# KiCad board AICORS_PCB.kicad_pcb (continued)
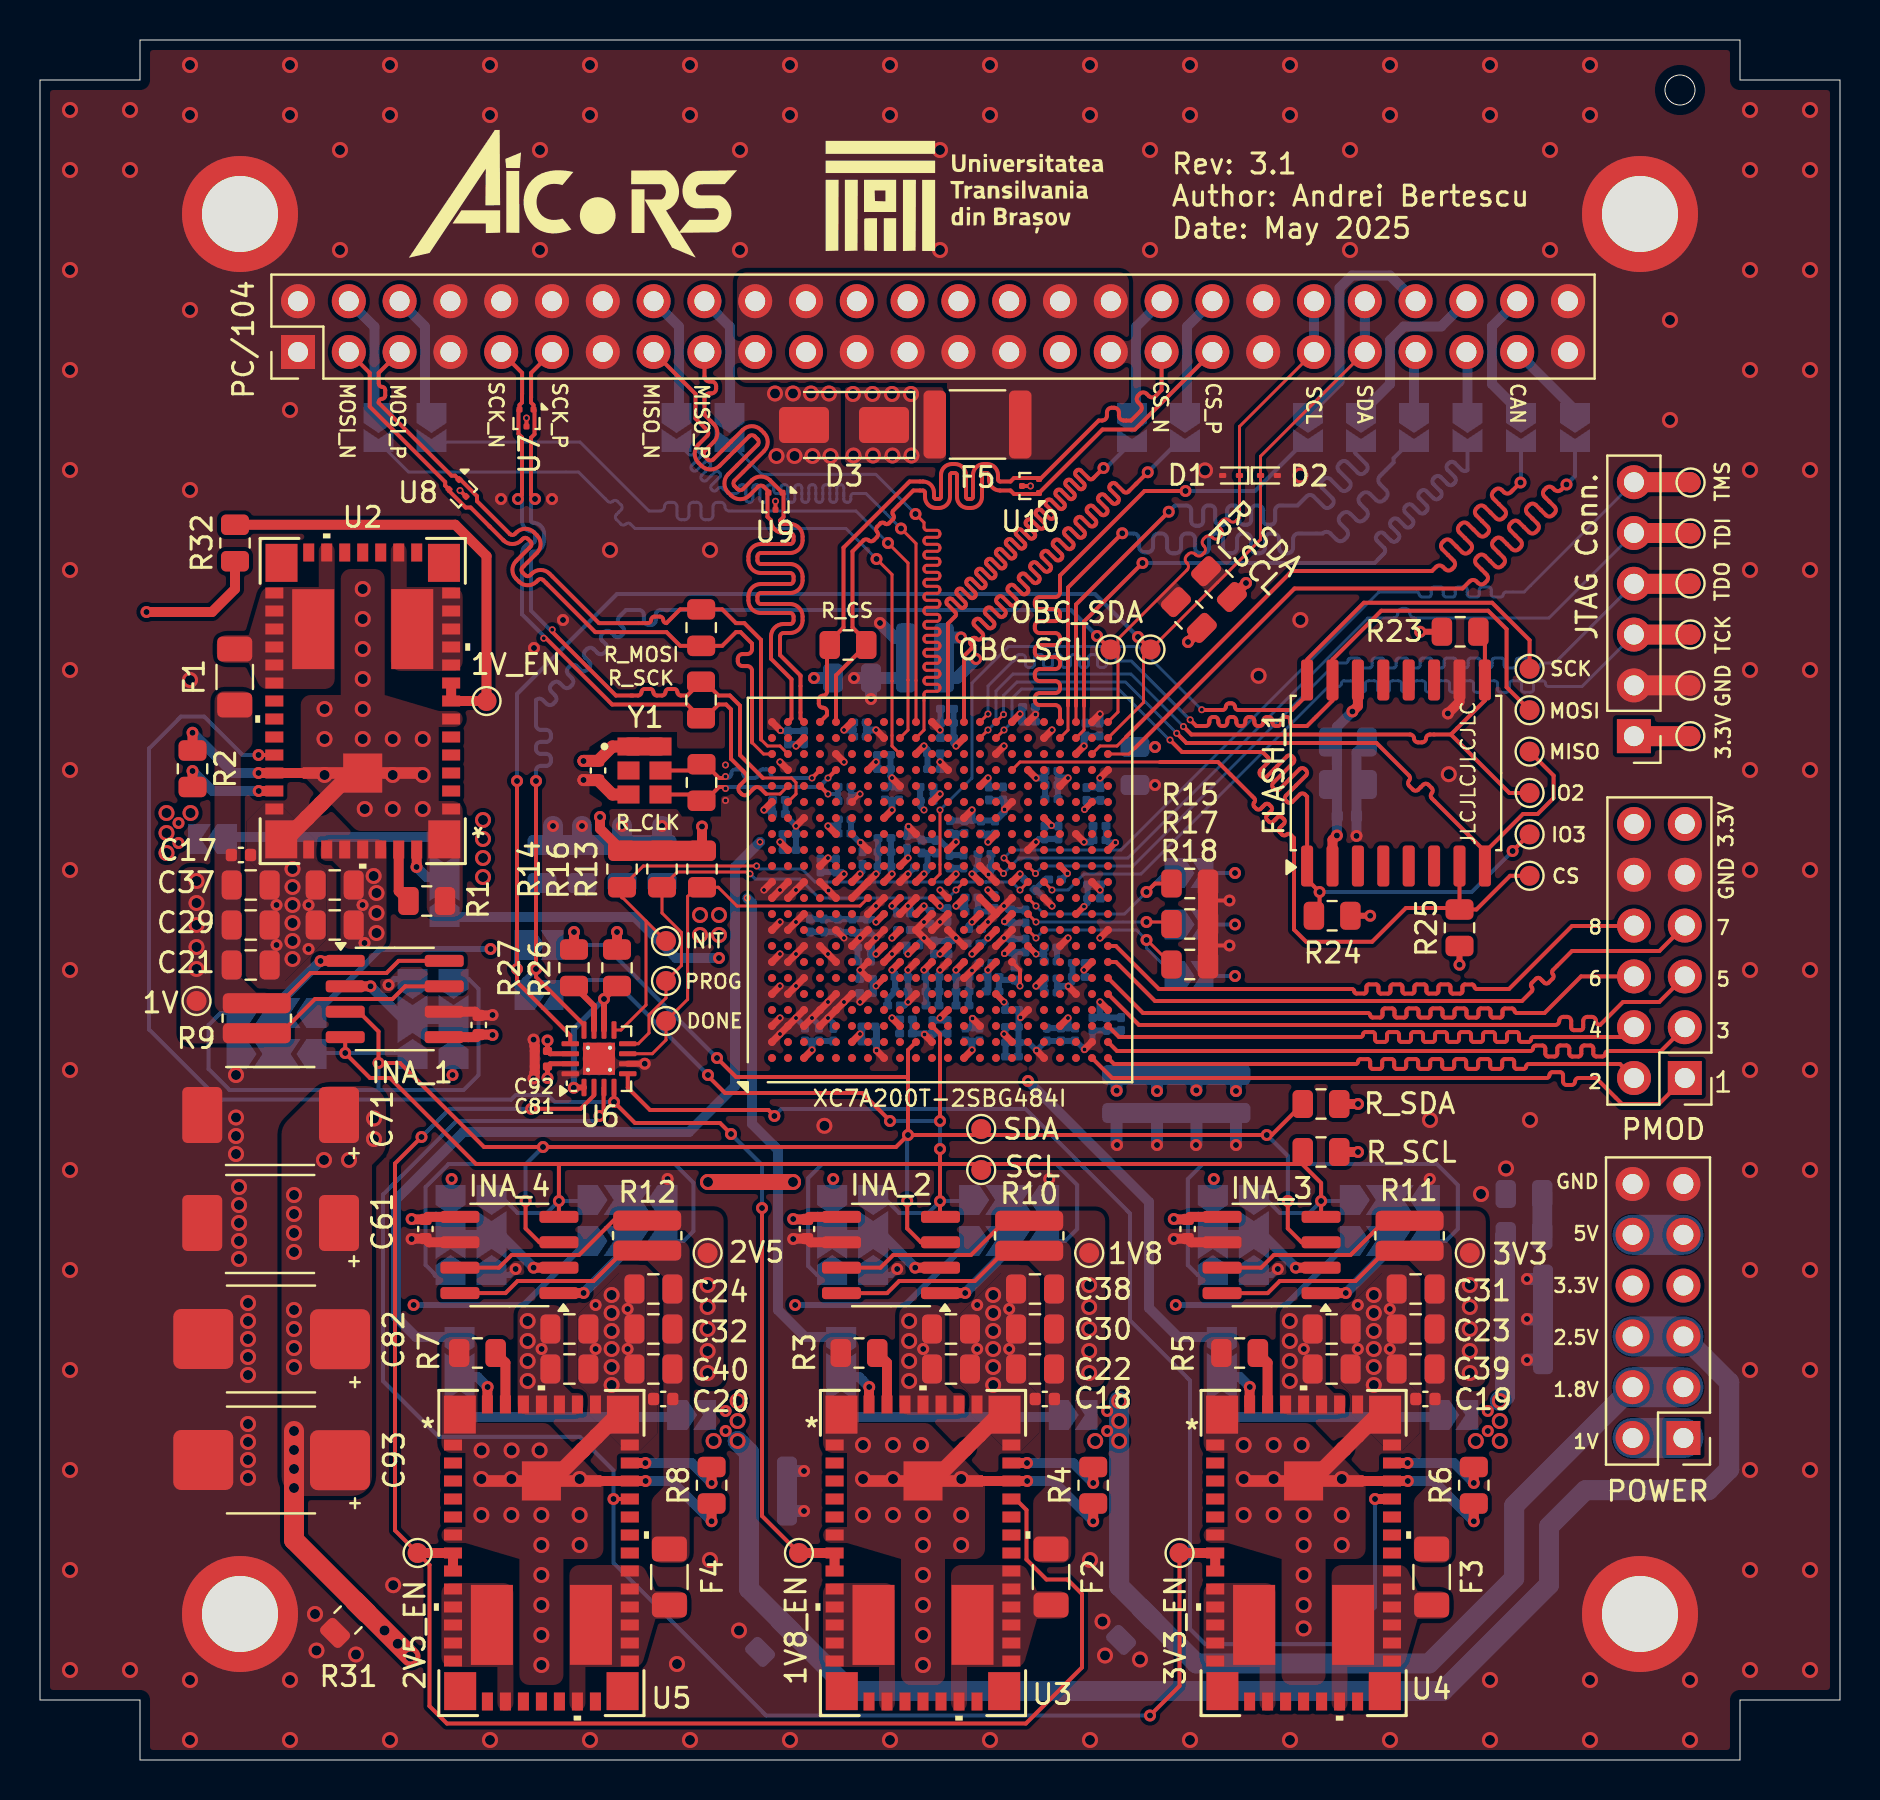
[diagram p0: board, top side]
## Routing (per net, layer and track width the routed paths; a pad name or vN(x,y) marks a point on that pad's centre or on a via; arc(x,y) is an arc through that point) (continued)
+5V: length 32.6
  Top w0.5: R32.1 9.75,58.55 8.6,57.4 v1(5.33,57.4)
  In2.Cu w1: J4.10 78.43,26.26 75.96,23.79 75.96,13.84 72.11,9.99 68.47,9.99 68.46,10
  Bottom w2: J4.10 J4.9
  vias: v1(16.13,42.75) v1(16.23,40.85) v1(25.08,20.55) v1(44.16,20.55) v1(63.19,20.55) v3(16.68,44.2) v3(16.83,43.35) v3(16.83,42.35) v3(16.83,41.35) v3(24.38,21.95) v3(24.38,20.95) v3(24.38,19.95) v3(24.38,18.95) v3(40.65,68.3) v3(40.68,65.22) v3(41.63,68.3) v3(41.65,65.22) v3(42.6,68.3) v3(42.63,65.22) v3(43.46,21.95) v3(43.46,20.95) v3(43.46,19.95) v3(43.46,18.95) v3(43.55,68.3) v3(43.57,65.22) v3(62.49,21.95) v3(62.49,20.95) v3(62.49,19.95) v3(62.49,18.95)
/1V8_SENSE: length 20.1
  Top w0.2: INA_2.7 42.02,24.61 42.66,25.25 46.55,25.25 47.92,26.62 47.92,27.13
  Bottom w0.5: JP2.1 50.83,17.15 JP6.1
  vias: v3(52.46,23.75) v3(52.46,22.65) v3(52.46,21.55) v3(52.46,20.45) v3(52.46,19.35)
/1V_SENSE: length 20.1
  Top w0.2: 20.21,38.68 18.26,38.68 17.63,38.05 13.75,38.05 12.37,36.67 12.37,36.16
  Bottom w0.5: JP5.1 9.45,46.15 JP1.1
  vias: v3(7.83,43.95) v3(7.83,42.85) v3(7.83,41.75) v3(7.83,40.65) v3(7.83,39.55)
/2V5_SENSE: length 19.8
  Top w0.2: 28.84,27.14 26.95,25.25 23.58,25.25 22.95,24.62 INA_4.7
  Bottom w0.5: JP8.1 31.76,17.15 JP4.1
  vias: v3(33.38,23.75) v3(33.38,22.65) v3(33.38,21.55) v3(33.38,20.45) v3(33.38,19.35)
/3V3_SENSE: length 20.1
  Top w0.2: INA_3.7 61.06,24.61 61.69,25.25 65.53,25.25 66.95,26.67 66.95,27.13
  Bottom w0.5: JP7.1 69.87,17.15 JP3.1
  vias: v3(71.49,23.75) v3(71.49,22.65) v3(71.49,21.55) v3(71.49,20.45) v3(71.49,19.35)
AGND_1V: length 12.9
  Top w0.5: R2.1 v1(7.63,51.36) ; v1(10.93,49.35) 10.94,49.35 U2.34 U2.45
  Top w0.8: NT5.2 15.6,49.35 U2.45
  Bottom w0.5: v1(7.63,51.36) 9.64,49.35 v1(10.93,49.35)
  vias: v3(14.23,52.55) v3(14.23,51.05) v3(14.23,49.25) v3(16.14,58.55) v3(16.14,57.05) v3(16.14,55.55) v3(16.14,54.05) v3(16.14,52.55) v3(16.14,51.05) v3(16.24,47.55) v3(17.64,51.05) v3(17.64,49.25) v3(17.64,47.55) v3(19.14,51.05) v3(19.14,49.25) v3(19.14,47.55)
AGND_1V8: length 13
  Top w0.5: U3.45 U3.34 v1(49.36,13.95) ; R4.1 v1(52.66,11.94)
  Top w0.8: NT6.2 44.64,13.95 U3.45
  Bottom w0.5: v1(49.36,13.95) 50.65,13.95 v1(52.66,11.94)
  vias: v3(41.15,15.75) v3(41.15,14.05) v3(41.15,12.25) v3(42.65,15.75) v3(42.65,14.05) v3(42.65,12.25) v3(44.05,15.75) v3(44.15,12.25) v3(44.15,10.75) v3(44.15,9.25) v3(44.15,7.75) v3(44.15,6.25) v3(44.15,4.75) v3(46.06,14.05) v3(46.06,12.25) v3(46.06,10.75)
AGND_2V5: length 12.9
  Top w0.5: U5.45 U5.34 v1(30.28,13.95) ; R8.1 v1(33.58,11.94)
  Top w0.8: U5.45 25.59,13.95 NT8.2
  Bottom w0.5: v1(33.58,11.94) 31.57,13.95 v1(30.28,13.95)
  vias: v3(22.08,15.48) v3(22.07,14.05) v3(22.07,12.25) v3(23.58,15.48) v3(23.57,14.05) v3(23.57,12.25) v3(24.98,15.48) v3(25.07,12.25) v3(25.07,10.75) v3(25.07,9.25) v3(25.07,7.75) v3(25.07,6.25) v3(25.07,4.75) v3(26.98,14.05) v3(26.98,12.25) v3(26.98,10.75)
AGND_3V3: length 12.9
  Top w0.5: U4.45 U4.34 v1(68.39,13.95) ; R6.1 v1(71.69,11.94)
  Top w0.8: NT7.2 63.58,13.95 U4.45
  Bottom w0.5: v1(68.39,13.95) 69.68,13.95 v1(71.69,11.94)
  vias: v3(60.18,15.75) v3(60.18,14.05) v3(60.18,12.25) v3(61.68,15.75) v3(61.68,14.05) v3(61.68,12.25) v3(63.08,15.75) v3(63.18,12.25) v3(63.18,10.75) v3(63.18,9.25) v3(63.18,7.75) v3(63.18,6.58) v3(65.09,14.05) v3(65.09,12.25) v3(65.09,10.75)
GND: length 233.2
  Top w0.2: 58.4,42.97 v1(59.48,42.97) ; v2(21,63.47) U8.3 ; v2(49,38.7) 49,39.5 U1.T7 ; 58.4,40.72 v1(59.48,40.72) ; U1.F17 v2(41,48.3) ; v2(24.32,67.1) U7.3 ; U10.3 v2(49.52,63.7) ; U9.3 v2(36.77,62.94)
  Top w0.3: U1.G8 v2(41.8,41.1) U1.H9 ; U1.G7 v2(41,39.5) U1.G6 ; U6.6 v1(30.24,34.81) ; U1.E9 v2(40.2,41.1) ; U1.M11 v2(45,43.5)
  Top w0.35: U1.R10 U1.P11 ; U1.R10 v2(47.4,41.9) U1.P9 ; U1.R10 v2(48.2,42.7) U1.T11 ; 46.2,39.07 v2(46.6,39.47) 47,39.88 ; U1.B7 v2(37.8,40.3) U1.C8 ; U1.L10 v2(44.2,41.9) U1.K9 v2(44.2,41.1) U1.L8 ; U1.U14 v2(49.8,45.9) ; U1.K7 v2(43.4,39.5) ; U1.P13 v2(47.43,44.27) U1.R12 ; U1.B9 v2(37.8,41.9) U1.C10 ; U1.R20 v2(48.2,50.7) ; U1.G9 v2(41,41.1) U1.F8 ; U1.U22 v2(49.77,52.27) ; U1.L2 v2(44.23,36.27) ; U1.N8 v2(45.8,41.1) U1.M9 ; U1.H11 v2(41.8,42.7) U1.G10 ; U1.J18 v2(42.6,49.1) ; U1.E20 v2(40.2,49.9) ; U1.C6 v2(37.8,38.7) U1.B5 ; U1.E11 v2(39.43,43.47) U1.D12 ; U1.B12 v2(37,43.5) U1.A11 ; v2(41.8,44.3) U1.G12 U1.F11 ; 51.79,38.31 v2(51.41,38.69) ; U1.K5 v2(43.4,37.9) ; U1.AB19 v2(53,49.1) ; U1.K15 v2(43.43,46.67) ; U1.C12 v2(37.8,43.5) U1.B11 ; U1.AA2 v2(52.23,35.52) ; U1.M7 v2(45,39.5) ; U1.A12 v2(36.2,43.5) ; U1.AA22 v2(53,52.3) ; U1.N16 v2(46.6,47.5) ; U1.A2 v2(37,36.3) U1.B3 v2(37.8,37.1) U1.C4 ; U1.L9 v2(45,41.9) U1.M10 ; U1.A3 v2(37,37.1) ; U1.L22 v2(45,51.5) ; U1.J12 v2(43.4,44.3) ; U1.R8 v2(48.2,41.1) U1.T9 ; U1.D8 v2(39.4,40.3) U1.E7 ; U1.V1 v2(49.82,35.47) ; U1.A5 v2(37,38.7) ; U1.H7 v2(42.6,40.3) U1.J8 ; U1.C3 v2(38.6,37.1) U1.D4 v2(39.4,37.9) U1.E5 ; U1.D13 v2(39.4,45.1) ; U1.W8 v2(51.4,41.1) ; U1.K11 v2(43.4,42.7) U1.J10 ; U1.C16 v2(37.8,46.7) ; U1.M19 v2(45,49.9) ; U1.D3 v2(39.4,37.1) U1.E4 v2(40.2,37.9) U1.F5 ; U1.B19 v2(37,49.9) ; U1.U4 v2(49.02,37.12) ; U1.A7 v2(37,40.3) ; U1.H1 v2(41.82,35.47) ; U1.AB9 v2(53,41.1) ; U1.W18 v2(51.4,49.1) ; 36.63,51.88 v2(37.02,51.47) ; U1.T17 v2(48.23,47.52) ; U1.A9 v2(37,41.9) ; U1.P3 v2(46.63,37.07) ; U1.G5 v2(41,37.9) ; U1.AA12 v2(53,43.5) ; U1.G14 v2(41.02,45.88) ; U1.V11 v2(50.6,42.7) ; U1.V21 v2(50.6,51.5) ; U1.H21 v2(41.8,51.5) ; U1.Y15 v2(52.2,45.9)
  Top w0.5: 40.07,25.88 38.54,25.88 C46.2 37.77,26.07 37.75,26.05 v1(37.66,26.05) ; FLASH_1.10 70.97,52.91 v1(70.39,52.32) ; v1(24.68,34.08) 24.68,34.13 24.72,34.17 24.72,34.37 24.74,34.38 C81.2 C92.2 24.74,35.69 24.72,35.71 24.72,35.93 24.68,35.97 v1(24.68,36.02) ; v1(56.69,26.05) 56.78,26.05 56.8,26.07 C47.2 57.57,25.88 59.11,25.88 ; v1(18.58,26.05) 18.67,26.05 18.69,26.07 C48.2 19.46,25.89 INA_4.6 ; v1(22.63,37.25) 22.54,37.25 22.52,37.23 C45.2 21.75,37.41 INA_1.6
  Top w0.6: v1(27.18,49) 27.18,48.99 C52.2 28.62,48.27 Y1.3
  Top w0.8: U5.37 28.91,17.27 NT8.1 ; NT7.1 66.9,17.27 U4.37 ; U2.37 12.28,46.03 NT5.1 ; U3.37 47.96,17.27 NT6.1
  Top w1: TP26.1 82.51,53.73 J2.2 ; R15.1 R18.1
  Bottom w0.2: v2(41,48.3) 40.54,48.3
  Bottom w0.3: A0_1.4 17.73,39.05 v1(17.43,38.75) ; v2(44.2,47.5) 44.01,47.69 C105.2 44.01,47.95 C152.2 ; C58.2 39.67,36.83 v2(39.4,37.1) 38.95,36.65 38.95,36.59 38.95,36.75 v2(38.6,37.1) 38.25,36.75 38.25,36.59 38.25,36.65 v2(37.8,37.1) ; C112.2 40.88,40.97 v2(41,41.1) 40.7,41.41 C79.2 ; C175.2 U1.K9 v2(44.2,41.1) ; C142.2 C83.2 47.54,44.39 v2(47.43,44.27) ; C191.2 50.25,44.02 49.73,43.5 49.8,43.5 v2(50.6,42.7) ; v2(37.02,51.47) 37.05,51.45 C106.2 ; v2(43.4,39.5) 43.4,39.49 43.4,38.42 43.4,38.42 v2(43.4,37.9) 43.23,37.72 C101.2 ; C114.2 42.52,49.18 v2(42.6,49.1) ; C168.2 C192.2 C133.2 ; v1(42.86,24.55) 42.56,24.25 A0_2.4 ; C125.2 47.73,46.97 C128.2 ; v2(45,41.9) 45.03,41.93 45.4,41.93 ; v2(51.41,38.69) 51.63,38.9 C99.2 ; 50.9,49.45 50.9,48.05 ; v2(49.8,45.9) 49.96,46.05 C129.2 ; v2(41.8,41.1) 41.49,41.41 C110.2 C111.2 ; v2(43.4,44.3) 43.73,44.62 C166.2 ; v2(49,38.7) 48.73,38.97 C69.2 48.09,39 C195.2 C139.2 ; A0_4.4 23.48,24.25 v1(23.78,24.55) ; C100.2 C160.2 ; C55.2 C133.2 ; C133.2 49.43,35.88 v2(49.82,35.47) 50.3,35.95 C60.2 51.04,35.95 C96.2 51.79,35.95 v2(52.23,35.52) 52.63,35.92 C170.2 C118.2 C56.2 ; C167.2 40.98,39.48 v2(41,39.5) ; A0_3.4 61.59,24.25 v1(61.89,24.55) ; 46.98,36.59 46.27,36.59 ; C63.2 v1(55.75,48.75) ; C130.2 43.52,42.57 v2(43.4,42.7) ; C149.2 C97.2 ; v2(51.4,41.1) 50.85,40.55 C85.2 ; C86.2 37.27,47.23 v2(37.8,46.7) C116.2 ; v2(47.4,41.9) 47.07,41.57 C102.2 ; v2(41.8,44.3) 41.91,44.41 C78.2 ; C201.2 C115.2 ; C162.2 C109.2 C54.2 ; v2(44.2,41.9) 44.32,41.78 C156.2 ; C124.2 40.98,37.92 v2(41,37.9) ; v2(44.2,41.1) 44.35,40.94 C154.2 45.65,40.94 v2(45.8,41.1) 46.07,40.82 C70.2 ; v2(44.2,41.1) 43.95,40.84 C165.2 ; C104.2 C148.2 ; C194.2 48.41,42.49 v2(48.2,42.7) 47.93,42.42 46.9,42.42 46.9,43.12 ; v2(40.2,41.1) 39.9,41.41 C121.2 ; C164.2 46.96,39.83 v2(46.6,39.47) 46.45,39.32 C140.2 ; v2(43.43,46.67) 43.35,46.6 C187.2 43.85,46.22 C68.2 44.77,45.99 C123.2 44.99,45.99 45.48,45.5 C113.2 46.17,45.24 C186.2 ; C171.2 C137.2 44.18,36.32 v2(44.23,36.27) 44.28,36.33 C136.2 ; C198.2 C108.2 ; A1_3.4 v1(69.49,29.05) ; C90.2 44.95,39.44 v2(45,39.5) ; C200.2 C107.2 ; C135.2 40.55,46.33 C189.2 40.99,45.88 v2(41.02,45.88) 41.13,45.77 C157.2 ; C103.2 C176.2 ; A1_2.4 v1(50.46,29.05) ; C119.2 C98.2 ; C161.2 C88.2 ; 41.32,51.88 41.32,51.17 ; C184.2 48.26,41.04 v2(48.2,41.1) ; A1_1.4 9.83,34.25 ; A1_4.4 v1(31.38,29.05)
  Bottom w0.35: v2(42.6,49.1) 42.6,48.64 ; C180.2 C84.2 53,51.87 v2(53,52.3) ; C138.2 41.82,36.6 v2(41.82,35.47) ; v2(51.41,38.69) 50.87,38.69 50.86,38.7 ; C148.2 48.23,47.93 v2(48.23,47.52) 48.23,47.42 C125.2 ; v2(52.2,45.9) 52.55,45.9 C151.2 C89.2 ; C88.2 53,48.64 v2(53,49.1) ; v2(46.63,37.07) 46.63,36.59 ; v2(51.4,49.1) 50.9,49.1 ; v2(41.8,51.5) 41.32,51.5 ; v2(46.6,47.5) 46.6,46.97
  Bottom w0.5: v1(65.82,46.2) C51.2 65.82,50.38 C49.2
  Bottom w0.6: C77.2 v1(74.35,24.05) ; C65.2 57.82,30.77 v1(57.8,30.75) ; v1(74.35,20) 74.37,20.02 C75.2 ; C76.2 74.37,22.03 v1(74.35,22.05) ; C74.2 v1(38.2,12.45) ; C62.2 42.73,56.12 v1(42,56.85) ; C72.2 53.83,30.77 v1(53.85,30.75) ; C66.2 C53.2 ; C66.2 v1(40.7,54.1) ; C66.2 v1(41.55,53.05) ; C73.2 v1(55.85,30.75) ; C67.2 v1(59.8,30.75) ; C64.2 v1(38.2,14.45)
  Bottom w1: C193.2 v1(29.1,46.7) ; C77.2 C75.2 ; 25.65,45.75 v1(25.65,46.7) ; C183.2 v1(27.1,46.7) ; v1(31.1,46.7) C163.2 C173.2 ; C74.2 C64.2 ; C53.2 C62.2 ; C72.2 C67.2
  vias: v1(11.83,42.75) v1(11.83,40.75) v1(13.43,42.75) v1(13.43,40.55) v1(23.05,63.05) v1(24.7,55.6) v1(25.6,63.05) v1(26.15,57) v1(27.78,22.75) v1(27.78,20.55) v1(29.38,22.55) v1(29.38,20.55) v1(46.86,22.75) v1(46.86,20.55) v1(48.46,22.55) v1(48.46,20.55) v1(65.89,22.75) v1(65.89,20.55) v1(67.49,22.55) v1(67.49,20.55) v2(34.27,49.75) v2(34.27,47.97) v3(1.5,82.5) v3(1.5,79.5) v3(1.5,74.5) v3(1.5,69.5) v3(1.5,64.5) v3(1.5,59.5) v3(1.5,54.5) v3(1.5,49.5) v3(1.5,44.5) v3(1.5,39.5) v3(1.5,34.5) v3(1.5,29.5) v3(1.5,24.5) v3(1.5,19.5) v3(1.5,14.5) v3(1.5,9.5) v3(1.5,4.5) v3(4.5,82.5) v3(4.5,79.5) v3(4.5,4.5) v3(7.5,84.75) v3(7.5,82.25) v3(7.5,72.5) v3(7.5,63.5) v3(7.5,54) v3(7.5,4) v3(7.5,1) v3(9.8,34.25) v3(9.8,32.12) v3(9.8,31.2) v3(9.8,30.3) v3(9.95,28.65) v3(9.95,27.75) v3(9.95,26.85) v3(9.95,25.95) v3(9.95,25.05) v3(10.4,22.85) v3(10.4,21.95) v3(10.4,21.05) v3(10.4,20.15) v3(10.4,19.25) v3(10.4,16.8) v3(10.4,15.9) v3(10.4,15) v3(10.4,14.1) v3(12.5,84.75) v3(12.5,82.25) v3(12.5,67.5) v3(12.5,4) v3(12.5,1) v3(12.63,44.55) v3(12.63,43.65) v3(12.63,42.75) v3(12.63,41.85) v3(12.63,40.95) v3(12.63,40.05) v3(13.75,7.3) v3(13.82,5.47) v3(15,80.5) v3(15,75.5) v3(15.8,5.28) v3(17.5,84.75) v3(17.5,82.25) v3(17.5,1) v3(17.66,8.74) v3(22.5,84.75) v3(22.5,82.25) v3(22.5,1) v3(25,80.5) v3(25,75.5) v3(27.5,84.75) v3(27.5,82.25) v3(27.5,1) v3(28.5,60.5) v3(28.58,23.25) v3(28.58,22.35) v3(28.58,21.45) v3(28.58,20.55) v3(28.58,19.65) v3(28.58,18.75) v3(31.85,4.8) v3(32.5,84.75) v3(32.5,82.25) v3(32.5,1) v3(33.5,60.5) v3(33.5,10) v3(34.95,6.47) v3(35,80.5) v3(35,75.5) v3(36.75,68.32) v3(36.82,65.2) v3(37.5,84.75) v3(37.5,82.25) v3(37.5,1) v3(37.65,68.32) v3(37.73,65.2) v3(38.55,68.32) v3(38.63,65.2) v3(39.22,31.71) v3(39.45,68.32) v3(39.52,65.2) v3(42.5,84.75) v3(42.5,82.25) v3(42.5,1) v3(45,80.5) v3(45,75.5) v3(47.5,84.75) v3(47.5,82.25) v3(47.5,1) v3(47.66,23.25) v3(47.66,22.35) v3(47.66,21.45) v3(47.66,20.55) v3(47.66,19.65) v3(47.66,18.75) v3(52.5,84.75) v3(52.5,82.25) v3(52.5,10) v3(52.5,1) v3(53.13,6.92) v3(53.25,5.22) v3(55,5.03) v3(55.5,80.5) v3(55.5,75.5) v3(57.5,84.75) v3(57.5,82.25) v3(57.5,1) v3(58.25,64.48) v3(60.93,54.21) v3(62.5,84.75) v3(62.5,82.25) v3(62.5,1) v3(63.02,64.22) v3(63.02,57) v3(65.5,80.5) v3(65.5,75.5) v3(66.69,23.25) v3(66.69,22.35) v3(66.69,21.45) v3(66.69,20.55) v3(66.69,19.65) v3(66.69,18.75) v3(67.5,84.75) v3(67.5,82.25) v3(67.5,1) v3(69.5,32) v3(70.44,49.29) v3(72.05,28.3) v3(72.5,84.75) v3(72.5,82.25) v3(72.5,4) v3(72.5,1) v3(73.3,29.57) v3(74.5,32) v3(75.5,80.5) v3(75.5,75.5) v3(77.5,84.75) v3(77.5,82.25) v3(77.5,4) v3(77.5,1) v3(81.5,72) v3(81.5,67) v3(82.5,4) v3(82.5,1) v3(85.5,82.5) v3(85.5,79.5) v3(85.5,74.5) v3(85.5,69.5) v3(85.5,64.5) v3(85.5,59.5) v3(85.5,54.5) v3(85.5,49.5) v3(85.5,44.5) v3(85.5,39.5) v3(85.5,34.5) v3(85.5,29.5) v3(85.5,24.5) v3(85.5,19.5) v3(85.5,14.5) v3(85.5,9.5) v3(85.5,4.5) v3(88.5,82.5) v3(88.5,79.5) v3(88.5,74.5) v3(88.5,69.5) v3(88.5,64.5) v3(88.5,59.5) v3(88.5,54.5) v3(88.5,49.5) v3(88.5,44.5) v3(88.5,39.5) v3(88.5,34.5) v3(88.5,29.5) v3(88.5,24.5) v3(88.5,19.5) v3(88.5,14.5) v3(88.5,9.5) v3(88.5,4.5)
VCCINT: length 118.8
  Top w0.35: U1.J11 v2(42.6,42.7) ; U1.J7 v2(42.6,39.5) ; U1.N7 v2(45.8,39.5) ; U1.H8 v2(41.8,40.3) ; U1.J9 v2(42.6,41.1) ; U1.T10 v2(48.23,41.92) ; U1.M8 v2(45,40.3) ; U1.P8 v2(46.6,40.3) ; U1.L7 v2(44.2,39.5) ; U1.R9 v2(47.4,41.1) ; U1.R7 v2(47.4,39.5) ; U1.T8 v2(48.23,40.32) ; U1.K8 v2(43.4,40.3) ; U1.L11 v2(45,42.7) ; U1.H10 v2(41.8,41.9) ; U1.P10 v2(46.6,41.9) ; U1.N11 v2(45.8,42.7)
  Top w1: v3(18.52,5.17) 12.7,11 v3(12.7,16.45)
  In2.Cu w0.5: 36.74,40.81 36.02,40.1 v1(33.95,40.1)
  In2.Cu w1: J4.2 79.63,14.73 68.47,3.57 20.13,3.57 v3(17.23,6.47)
  Bottom w0.3: v2(43.4,40.3) 43.3,40.39 43.3,40.72 ; C175.1 42.88,41.38 v2(42.6,41.1) ; v2(48.23,41.92) 48.29,41.85 C155.1 C194.1 ; 45.4,42.57 45.13,42.57 v2(45,42.7) ; v2(44.2,39.5) 44.3,39.39 44.3,37.72 ; 45.8,37.72 45.8,39.49 v2(45.8,39.5) ; C132.1 C131.1 ; C101.1 42.38,38.05 C174.1 42.76,39.34 v2(42.6,39.5) ; C102.1 46.43,41.73 v2(46.6,41.9) ; C184.1 48.3,40.41 v2(48.23,40.32) ; v2(42.6,42.7) 42.88,42.41 42.88,42.32 ; 44.7,40.3 45.43,40.3 ; v2(47.4,41.1) 47.13,40.82 C70.1 ; C121.1 41.66,42.04 v2(41.8,41.9) ; C145.1 48.73,40.25 C69.1 ; C122.1 41.52,39.93 41.52,39.92
  Bottom w0.35: v2(41.8,40.3) 41.52,40.3 ; C70.1 46.99,40.69 v2(46.6,40.3) ; 47.6,39.85 47.6,39.73 47.4,39.53 v2(47.4,39.5) 47.4,38.52 47.3,38.42 ; v2(45.8,42.7) 46.26,42.7
  Bottom w0.5: NT1.2 v1(33.95,40.1)
  Bottom w2: J4.2 J4.1
  vias: v1(6.93,46.85) v1(6.93,45.85) v3(6.33,47.35) v3(6.33,46.35) v3(6.33,45.35) v3(7.53,47.35) v3(12.7,28.25) v3(12.7,27.3) v3(12.7,26.35) v3(12.7,25.4) v3(12.7,22.5) v3(12.7,21.55) v3(12.7,20.6) v3(12.7,19.65) v3(12.7,15.5) v3(12.7,14.55) v3(12.7,13.6) v3(14.2,30) v3(15.45,30) v3(16.7,32.07) v3(16.7,31.05) v3(17.89,5.81) v3(22.15,47) v3(22.15,46.05) v3(22.15,45.1) v3(22.15,44.15) v3(33,42.25) v3(33,41.25) v3(33.95,42.25) v3(33.95,41.25)
CAN_H: length 37.5
  Top w0.15: U1.AA20 53,50.7 53.85,50.7 54.3,51.15
  Top w0.2: v1(74.03,63.88) 73.54,63.39 arc(73.37,63.32) 73.2,63.39 73.09,63.5 arc(72.92,63.57) 72.75,63.5 72.66,63.42 arc(72.59,63.25) 72.66,63.08 73.23,62.51 arc(73.3,62.34) 73.23,62.17 73.15,62.09 arc(72.98,62.02) 72.81,62.09 72.24,62.66 arc(72.07,62.73) 71.9,62.66 71.81,62.57 arc(71.74,62.4) 71.81,62.23 72.38,61.66 arc(72.45,61.49) 72.38,61.32 72.3,61.24 arc(72.13,61.17) 71.96,61.24 71.39,61.81 arc(71.22,61.88) 71.05,61.81 70.97,61.72 arc(70.9,61.55) 70.97,61.38 71.53,60.82 arc(71.6,60.65) 71.53,60.48 71.45,60.39 arc(71.28,60.32) 71.11,60.39 70.54,60.96 arc(70.37,61.03) 70.2,60.96 70.12,60.87 arc(70.05,60.7) 70.12,60.53 70.68,59.97 arc(70.75,59.8) 70.68,59.63 70.6,59.54 arc(70.43,59.47) 70.26,59.54 70.15,59.66 arc(69.98,59.73) 69.81,59.66 69.6,59.45 62.6,59.45 54.3,51.15
  Bottom w0.2: JP24.2 74.05,63.9 v1(74.03,63.88)
CAN_L: length 40.5
  Top w0.15: 54.75,50.6 54.45,50.3 U1.AB20
  Top w0.2: 54.75,50.6 62.73,58.57 71.12,58.57 71.48,58.93 arc(71.65,59) 71.82,58.93 71.9,58.85 arc(72.07,58.78) 72.24,58.85 72.33,58.93 arc(72.4,59.1) 72.33,59.27 71.82,59.78 arc(71.75,59.95) 71.82,60.12 71.91,60.2 arc(72.08,60.27) 72.25,60.2 72.75,59.7 arc(72.92,59.63) 73.09,59.7 73.18,59.78 arc(73.25,59.95) 73.18,60.12 72.67,60.63 arc(72.6,60.8) 72.67,60.97 72.76,61.05 arc(72.93,61.12) 73.1,61.05 73.6,60.55 arc(73.77,60.48) 73.94,60.55 74.03,60.63 arc(74.1,60.8) 74.03,60.97 73.52,61.48 arc(73.45,61.65) 73.52,61.82 73.61,61.9 arc(73.78,61.97) 73.95,61.9 74.45,61.39 arc(74.62,61.32) 74.79,61.39 74.87,61.48 arc(74.94,61.65) 74.87,61.82 74.37,62.32 arc(74.3,62.49) 74.37,62.66 74.45,62.75 arc(74.62,62.82) 74.79,62.75 75.3,62.24 arc(75.47,62.17) 75.64,62.24 75.72,62.33 arc(75.79,62.5) 75.72,62.67 75.22,63.17 arc(75.15,63.34) 75.22,63.51 75.3,63.6 arc(75.47,63.67) 75.64,63.6 75.72,63.51 arc(75.89,63.44) 76.06,63.51 v1(76.32,63.77)
  Bottom w0.2: v1(76.32,63.77) 76.75,64.2 JP25.2
CONN_1: length 41.5
  Top w0.15: 51.4,52.72 51.4,51.5 U1.W21
  Top w0.2: 51.4,52.72 51.4,58.62 v1(54.11,61.34)
  Bottom w0.2: v1(54.11,61.34) 54.13,61.32 54.67,61.32 arc(54.87,61.24) 54.95,61.04 54.95,60.66 arc(55.04,60.47) 55.23,60.38 55.37,60.38 arc(55.57,60.47) 55.65,60.66 55.65,61.04 arc(55.74,61.24) 55.93,61.32 56.07,61.32 arc(56.27,61.24) 56.35,61.04 56.35,60.61 arc(56.44,60.42) 56.63,60.33 56.77,60.33 arc(56.97,60.42) 57.05,60.61 57.05,61.04 arc(57.14,61.24) 57.33,61.32 57.47,61.32 arc(57.67,61.24) 57.75,61.04 57.75,60.61 arc(57.84,60.42) 58.03,60.33 58.17,60.33 arc(58.37,60.42) 58.45,60.61 58.45,61.04 arc(58.54,61.24) 58.73,61.32 58.87,61.32 arc(59.07,61.24) 59.15,61.04 59.15,60.61 arc(59.24,60.42) 59.43,60.33 59.57,60.33 arc(59.77,60.42) 59.85,60.61 59.85,61.04 arc(59.94,61.24) 60.13,61.32 60.27,61.32 arc(60.47,61.24) 60.55,61.04 60.55,60.61 arc(60.64,60.42) 60.83,60.33 60.97,60.33 arc(61.17,60.42) 61.25,60.61 61.25,61.04 arc(61.34,61.24) 61.53,61.32 61.67,61.32 arc(61.87,61.24) 61.95,61.04 61.95,60.61 arc(62.04,60.42) 62.23,60.33 62.37,60.33 arc(62.57,60.42) 62.65,60.61 62.65,61.04 arc(62.74,61.24) 62.93,61.32 64.12,61.32 arc(64.32,61.41) 64.52,61.32 64.83,61.02 arc(65.02,60.94) 65.22,61.02 65.32,61.12 arc(65.4,61.32) 65.32,61.52 65.02,61.82 arc(64.93,62.02) 65.02,62.22 65.11,62.31 arc(65.31,62.4) 65.51,62.31 65.82,62.01 arc(66.01,61.93) 66.21,62.01 66.31,62.11 arc(66.39,62.31) 66.31,62.51 66.01,62.81 arc(65.92,63.01) 66.01,63.21 66.1,63.3 arc(66.3,63.39) 66.5,63.3 66.81,63 arc(67,62.92) 67.2,63 67.3,63.1 arc(67.38,63.3) 67.3,63.5 67,63.8 arc(66.91,64) 67,64.2 67.68,64.88 67.68,65.09 68.49,65.9 JP21.2
CONN_2: length 38.5
  Top w0.15: U1.Y21 52.2,51.5 52.2,52.7
  Top w0.2: v1(55.13,59.85) 52.2,56.92 52.2,52.7
  Bottom w0.2: JP23.2 71.38,64.5 arc(71.23,64.44) 71.09,64.5 70.74,64.86 arc(70.59,64.91) 70.45,64.86 70.38,64.79 arc(70.32,64.64) 70.38,64.5 70.74,64.15 arc(70.8,64.01) 70.74,63.86 70.67,63.79 arc(70.53,63.73) 70.39,63.79 70.03,64.15 arc(69.89,64.21) 69.75,64.15 69.68,64.08 arc(69.62,63.94) 69.68,63.8 70.03,63.44 arc(70.09,63.3) 70.03,63.16 69.96,63.09 arc(69.82,63.03) 69.68,63.09 69.32,63.44 arc(69.18,63.5) 69.04,63.44 68.97,63.37 arc(68.91,63.23) 68.97,63.09 69.32,62.73 arc(69.38,62.59) 69.32,62.45 69.25,62.38 arc(69.11,62.32) 68.97,62.38 68.61,62.73 arc(68.47,62.79) 68.33,62.73 68.26,62.66 arc(68.2,62.52) 68.26,62.38 68.62,62.03 arc(68.68,61.88) 68.62,61.74 68.55,61.67 arc(68.41,61.61) 68.26,61.67 67.91,62.03 arc(67.77,62.09) 67.62,62.03 67.55,61.96 arc(67.5,61.82) 67.55,61.67 67.91,61.32 arc(67.97,61.18) 67.91,61.04 67.84,60.96 arc(67.7,60.91) 67.56,60.96 67.2,61.32 arc(67.06,61.38) 66.92,61.32 66.85,61.25 arc(66.79,61.11) 66.85,60.97 67.2,60.61 arc(67.26,60.47) 67.2,60.33 66.72,59.85 v1(55.13,59.85)
CONN_3: length 35.7
  Top w0.15: U1.Y22 51.8,52.7
  Top w0.2: 51.8,52.7 51.8,57.77 v1(56.44,62.41)
  Bottom w0.2: v1(56.44,62.41) 56.75,62.72 57.32,62.72 arc(57.49,62.65) 57.56,62.48 57.56,61.95 arc(57.63,61.78) 57.8,61.71 57.92,61.71 arc(58.09,61.78) 58.16,61.95 58.16,62.48 arc(58.23,62.65) 58.4,62.72 58.52,62.72 arc(58.69,62.65) 58.76,62.48 58.76,62 arc(58.83,61.83) 59,61.76 59.12,61.76 arc(59.29,61.83) 59.36,62 59.36,62.48 arc(59.43,62.65) 59.6,62.72 59.72,62.72 arc(59.89,62.65) 59.96,62.48 59.96,62 arc(60.03,61.83) 60.2,61.76 60.32,61.76 arc(60.49,61.83) 60.56,62 60.56,62.48 arc(60.63,62.65) 60.8,62.72 60.92,62.72 arc(61.09,62.65) 61.16,62.48 61.16,62 arc(61.23,61.83) 61.4,61.76 61.52,61.76 arc(61.69,61.83) 61.76,62 61.76,62.48 arc(61.83,62.65) 62,62.72 62.88,62.72 63.33,63.18 arc(63.5,63.25) 63.67,63.18 64.19,62.67 arc(64.36,62.6) 64.53,62.67 64.62,62.75 arc(64.69,62.92) 64.62,63.09 64.1,63.61 arc(64.03,63.78) 64.1,63.95 64.18,64.03 arc(64.35,64.1) 64.52,64.03 65.04,63.51 arc(65.21,63.44) 65.38,63.51 65.47,63.6 arc(65.54,63.77) 65.47,63.94 64.95,64.46 arc(64.88,64.63) 64.95,64.8 65.03,64.88 arc(65.2,64.95) 65.37,64.88 65.89,64.36 arc(66.06,64.29) 66.23,64.36 66.31,64.45 arc(66.38,64.62) 66.31,64.79 65.8,65.31 arc(65.73,65.48) 65.8,65.65 JP22.2
CONN_4: length 33
  Top w0.2: U1.W22 51,52.51 arc(50.93,52.68) 50.76,52.75 49.98,52.75 arc(49.81,52.82) 49.74,52.99 49.74,53.11 arc(49.81,53.28) 49.98,53.35 50.76,53.35 arc(50.93,53.42) 51,53.59 51,53.71 arc(50.93,53.88) 50.76,53.95 49.98,53.95 arc(49.81,54.02) 49.74,54.19 49.74,54.31 arc(49.81,54.48) 49.98,54.55 50.76,54.55 arc(50.93,54.62) 51,54.79 51,54.91 arc(50.93,55.08) 50.76,55.15 49.98,55.15 arc(49.81,55.22) 49.74,55.39 49.74,55.51 arc(49.81,55.68) 49.98,55.75 50.76,55.75 arc(50.93,55.82) 51,55.99 51,56.11 arc(50.93,56.28) 50.76,56.35 49.98,56.35 arc(49.81,56.42) 49.74,56.59 49.74,56.71 arc(49.81,56.88) 49.98,56.95 50.76,56.95 arc(50.93,57.02) 51,57.19 51,57.31 arc(50.93,57.48) 50.76,57.55 49.98,57.55 arc(49.81,57.62) 49.74,57.79 49.74,57.91 arc(49.81,58.08) 49.98,58.15 50.76,58.15 arc(50.93,58.22) 51,58.39 51,59.22 55.23,63.45 v1(57.27,63.45)
  Bottom w0.2: 63.4,65.85 63.15,65.85 60.75,63.45 v1(57.27,63.45)
CONN_5: length 38.6
  Top w0.2: v1(55.39,64.39) 54.41,63.41 arc(54.3,63.37) 54.19,63.41 53.79,63.81 arc(53.68,63.86) 53.56,63.81 53.51,63.75 arc(53.46,63.64) 53.51,63.53 53.9,63.13 arc(53.95,63.02) 53.9,62.9 53.85,62.85 arc(53.73,62.8) 53.62,62.85 53.22,63.24 arc(53.11,63.29) 53,63.24 52.94,63.19 arc(52.89,63.07) 52.94,62.96 53.34,62.56 arc(53.38,62.45) 53.34,62.34 53.28,62.28 arc(53.17,62.23) 53.05,62.28 52.66,62.68 arc(52.54,62.73) 52.43,62.68 52.37,62.62 arc(52.33,62.51) 52.37,62.4 52.77,62 arc(52.82,61.89) 52.77,61.77 52.72,61.72 arc(52.6,61.67) 52.49,61.72 52.09,62.11 arc(51.98,62.16) 51.87,62.11 51.81,62.06 arc(51.76,61.94) 51.81,61.83 52.21,61.43 arc(52.25,61.32) 52.21,61.21 52.15,61.15 arc(52.04,61.1) 51.92,61.15 51.53,61.55 arc(51.41,61.59) 51.3,61.55 51.24,61.49 arc(51.2,61.38) 51.24,61.26 51.64,60.87 arc(51.69,60.75) 51.64,60.64 51.58,60.58 arc(51.47,60.54) 51.36,60.58 50.96,60.98 arc(50.85,61.03) 50.73,60.98 50.68,60.93 arc(50.63,60.81) 50.68,60.7 51.07,60.3 arc(51.12,60.19) 51.07,60.07 51.02,60.02 arc(50.91,59.97) 50.79,60.02 50.39,60.42 arc(50.28,60.46) 50.17,60.42 50.11,60.36 arc(50.06,60.25) 50.11,60.13 50.51,59.74 arc(50.56,59.62) 50.51,59.51 50.45,59.45 arc(50.34,59.41) 50.23,59.45 49.83,59.85 arc(49.72,59.9) 49.6,59.85 49.55,59.79 arc(49.5,59.68) 49.55,59.57 49.94,59.17 arc(49.99,59.06) 49.94,58.94 49.89,58.89 arc(49.77,58.84) 49.66,58.89 49.26,59.28 arc(49.15,59.33) 49.04,59.28 48.98,59.23 arc(48.93,59.12) 48.98,59 49.38,58.6 arc(49.42,58.49) 49.38,58.38 49.32,58.32 arc(49.21,58.27) 49.1,58.32 48.7,58.72 arc(48.58,58.77) 48.47,58.72 48.41,58.66 arc(48.37,58.55) 48.41,58.44 48.81,58.04 arc(48.86,57.93) 48.81,57.81 48.76,57.76 arc(48.64,57.71) 48.53,57.76 48.13,58.15 arc(48.02,58.2) 47.91,58.15 47.85,58.1 arc(47.8,57.98) 47.85,57.87 48.25,57.47 arc(48.29,57.36) 48.25,57.25 48.19,57.19 arc(48.08,57.14) 47.96,57.19 47.57,57.59 arc(47.45,57.63) 47.34,57.59 47.28,57.53 arc(47.24,57.42) 47.28,57.31 47.68,56.91 arc(47.73,56.79) 47.68,56.68 47.62,56.62 arc(47.51,56.58) 47.4,56.62 47,57.02 arc(46.89,57.07) 46.77,57.02 46.72,56.97 arc(46.67,56.85) 46.72,56.74 47.12,56.34 arc(47.16,56.23) 47.12,56.12 47.06,56.06 arc(46.95,56.01) 46.83,56.06 46.82,56.07 arc(46.71,56.11) 46.6,56.07 46.54,56.01 arc(46.49,55.9) 46.54,55.78 46.55,55.78 arc(46.6,55.66) 46.55,55.55 46.2,55.2 U1.N22
  Bottom w0.2: v1(55.39,64.39) 56.9,65.9 JP19.2
CONN_6: length 38.5
  Top w0.2: U1.M22 45.4,56.82 45.76,57.19 arc(45.81,57.29) 45.76,57.39 45.36,57.79 arc(45.32,57.89) 45.36,57.99 45.41,58.04 arc(45.51,58.08) 45.6,58.04 46.01,57.63 arc(46.11,57.59) 46.21,57.63 46.26,57.68 arc(46.3,57.78) 46.26,57.88 45.85,58.29 arc(45.81,58.39) 45.85,58.49 45.9,58.54 arc(46,58.58) 46.1,58.54 46.51,58.13 arc(46.61,58.09) 46.7,58.13 46.75,58.18 arc(46.8,58.28) 46.75,58.38 46.35,58.78 arc(46.31,58.88) 46.35,58.98 46.4,59.03 arc(46.5,59.07) 46.59,59.03 47,58.62 arc(47.1,58.58) 47.2,58.62 47.25,58.67 arc(47.29,58.77) 47.25,58.87 46.84,59.28 arc(46.8,59.38) 46.84,59.48 46.89,59.53 arc(46.99,59.57) 47.09,59.53 47.5,59.12 arc(47.6,59.08) 47.69,59.12 47.74,59.17 arc(47.79,59.27) 47.74,59.37 47.34,59.77 arc(47.3,59.87) 47.34,59.97 47.39,60.02 arc(47.49,60.06) 47.58,60.02 47.99,59.61 arc(48.09,59.57) 48.19,59.61 48.24,59.66 arc(48.28,59.76) 48.24,59.86 47.83,60.27 arc(47.79,60.37) 47.83,60.47 47.88,60.52 arc(47.98,60.56) 48.08,60.52 48.49,60.11 arc(48.59,60.07) 48.68,60.11 48.73,60.16 arc(48.78,60.26) 48.73,60.36 48.33,60.76 arc(48.29,60.86) 48.33,60.96 48.38,61.01 arc(48.48,61.05) 48.57,61.01 48.98,60.6 arc(49.08,60.56) 49.18,60.6 49.23,60.65 arc(49.27,60.75) 49.23,60.85 48.82,61.26 arc(48.78,61.36) 48.82,61.46 48.87,61.51 arc(48.97,61.55) 49.07,61.51 49.48,61.1 arc(49.58,61.06) 49.67,61.1 49.72,61.15 arc(49.77,61.25) 49.72,61.35 49.32,61.75 arc(49.28,61.85) 49.32,61.95 49.37,62 arc(49.47,62.04) 49.56,62 49.97,61.59 arc(50.07,61.55) 50.17,61.59 50.22,61.64 arc(50.26,61.74) 50.22,61.84 49.81,62.25 arc(49.77,62.35) 49.81,62.45 49.86,62.5 arc(49.96,62.54) 50.06,62.5 50.47,62.09 arc(50.57,62.05) 50.66,62.09 50.71,62.14 arc(50.75,62.24) 50.71,62.34 50.31,62.74 arc(50.27,62.84) 50.31,62.94 50.36,62.99 arc(50.46,63.03) 50.55,62.99 50.96,62.58 arc(51.06,62.54) 51.16,62.58 51.21,62.63 arc(51.25,62.73) 51.21,62.83 50.8,63.24 arc(50.76,63.34) 50.8,63.44 50.85,63.49 arc(50.95,63.53) 51.05,63.49 51.46,63.08 arc(51.56,63.04) 51.65,63.08 51.7,63.13 arc(51.74,63.23) 51.7,63.33 51.3,63.73 arc(51.26,63.83) 51.3,63.93 51.35,63.98 arc(51.45,64.02) 51.54,63.98 51.95,63.57 arc(52.05,63.53) 52.15,63.57 52.2,63.62 arc(52.24,63.72) 52.2,63.82 51.79,64.23 arc(51.75,64.33) 51.79,64.43 51.84,64.48 arc(51.94,64.52) 52.04,64.48 52.45,64.07 arc(52.55,64.03) 52.64,64.07 v1(53.18,64.6)